# KiCad board Kimiro.kicad_pcb (continued)
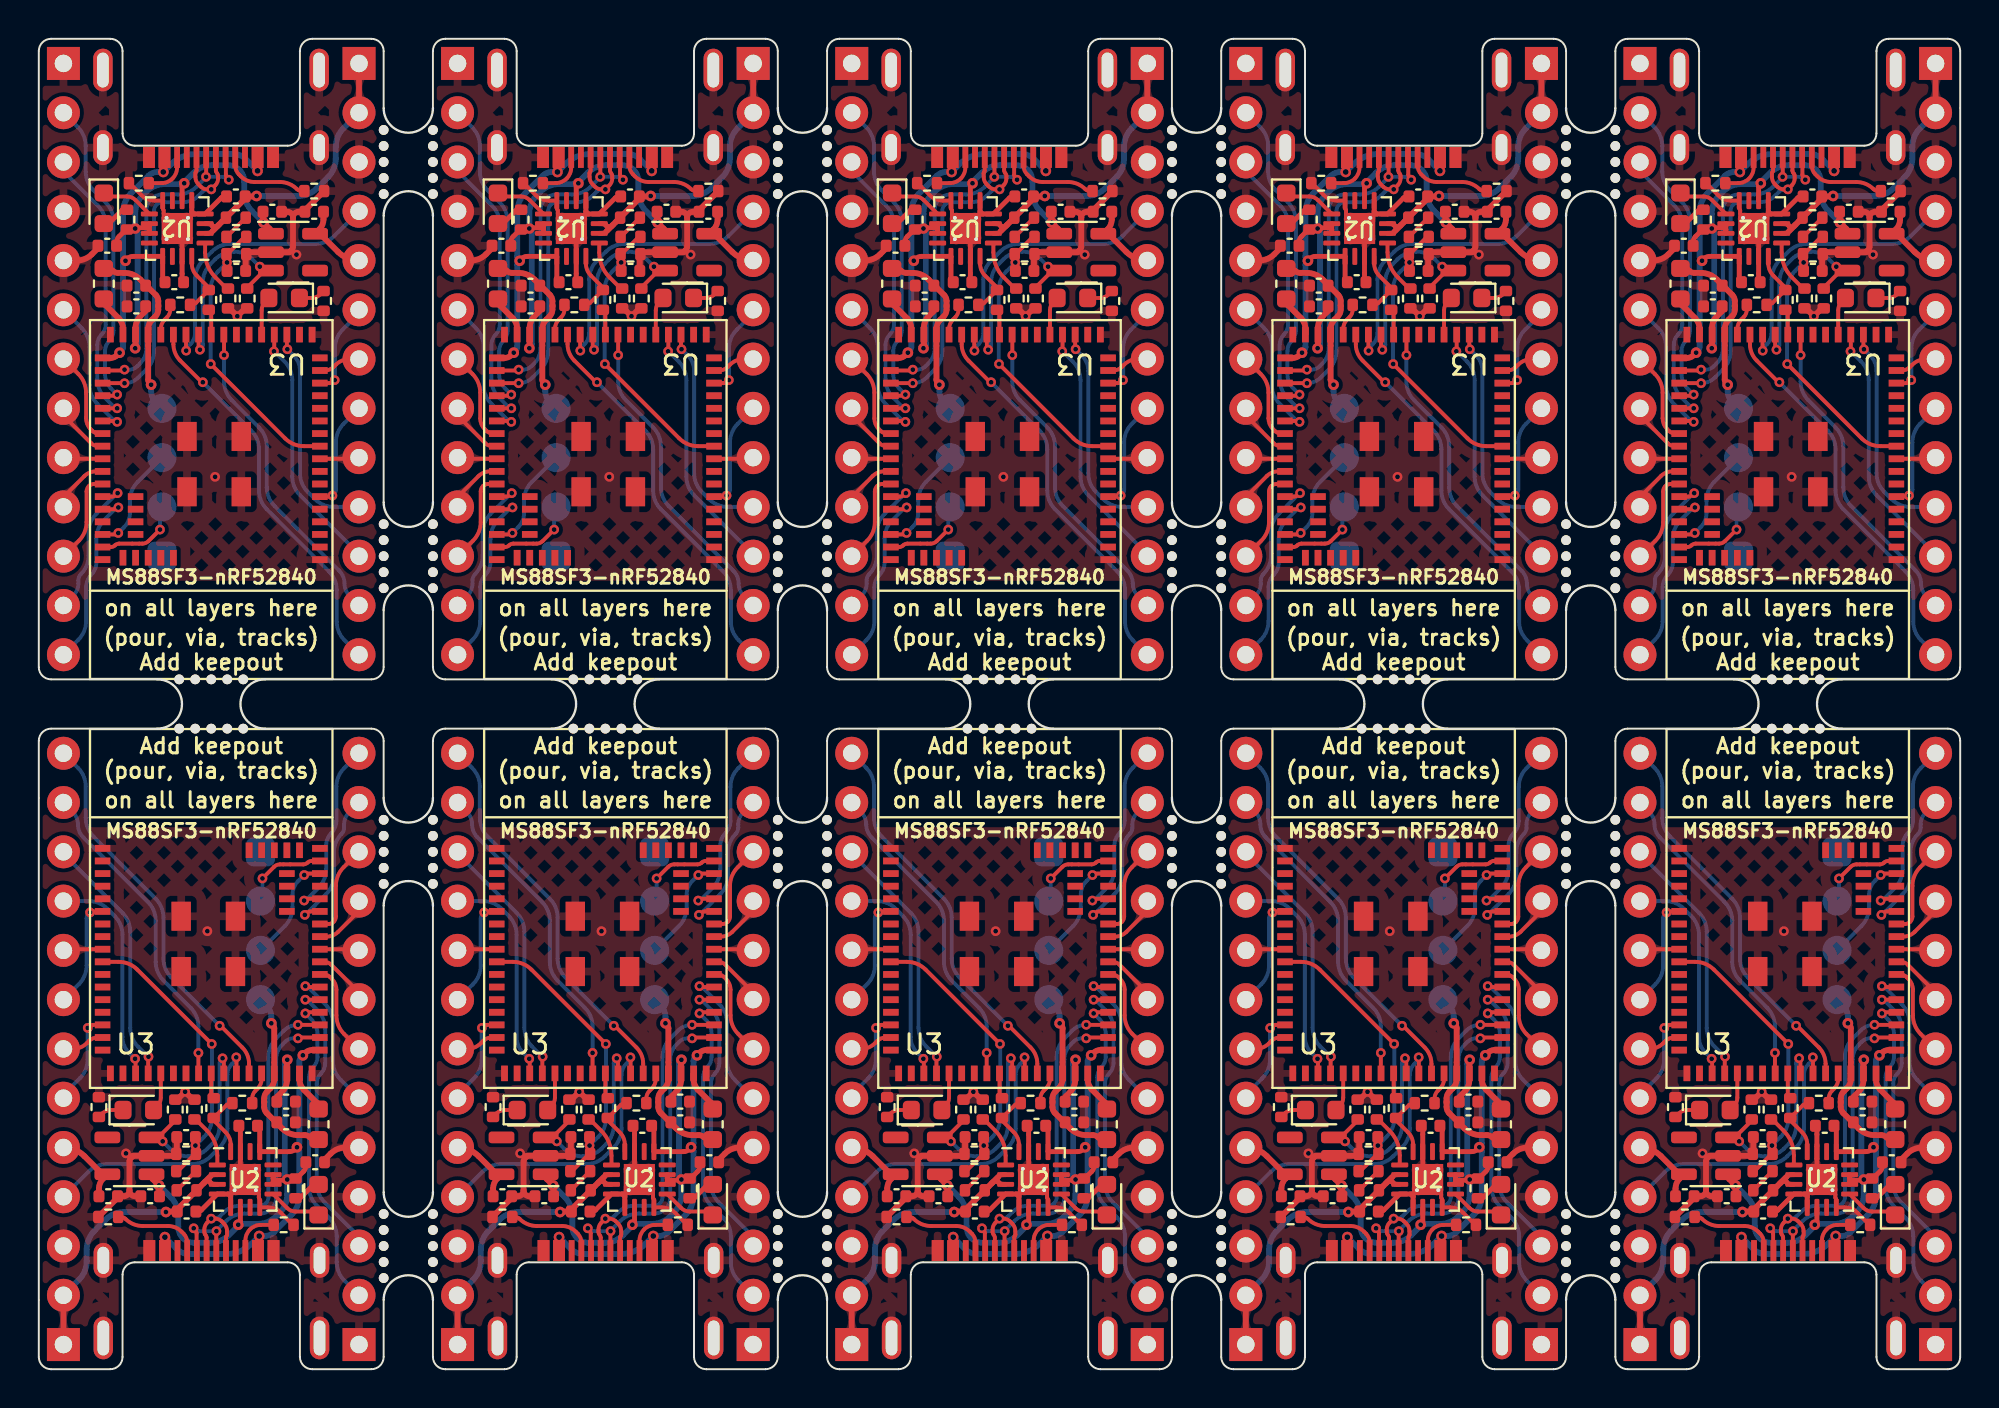
[diagram p0: board, top side]
## Copper pours and planes (outline as drawn; the poured copper is in the pictures) (continued)
016 on Bottom: 83.36,31.08 83.34,31.1 83.26,31.29 82.25,32.05 83.01,31.04 83.2,30.96 83.22,30.94
016 on Bottom: 96.98,37.5 97,37.48 97.08,37.29 98.09,36.53 97.33,37.54 97.14,37.62 97.12,37.64
016 on Bottom: 76.66,37.5 76.68,37.48 76.76,37.29 77.77,36.53 77.01,37.54 76.82,37.62 76.8,37.64
016 on Bottom: 56.34,37.5 56.36,37.48 56.44,37.29 57.45,36.53 56.69,37.54 56.5,37.62 56.48,37.64
016 on Bottom: 36.02,37.5 36.04,37.48 36.12,37.29 37.13,36.53 36.37,37.54 36.18,37.62 36.16,37.64
016 on Bottom: 22.4,31.08 22.38,31.1 22.3,31.29 21.29,32.05 22.05,31.04 22.24,30.96 22.26,30.94
016 on Bottom: 2.08,31.08 2.06,31.1 1.98,31.29 0.97,32.05 1.73,31.04 1.92,30.96 1.94,30.94
016 on Bottom: 42.72,31.08 42.7,31.1 42.62,31.29 41.61,32.05 42.37,31.04 42.56,30.96 42.58,30.94
016 on Bottom: 63.04,31.08 63.02,31.1 62.94,31.29 61.93,32.05 62.69,31.04 62.88,30.96 62.9,30.94
016 on Bottom: 15.7,37.5 15.72,37.48 15.8,37.29 16.81,36.53 16.05,37.54 15.86,37.62 15.84,37.64
017 on Top: 36,17.2 36.02,17.17 36.04,17.14 36.11,16.97 37.13,16.21 36.37,17.23 36.2,17.3 36.17,17.32 36.14,17.34
017 on Top: 15.68,17.2 15.7,17.17 15.72,17.14 15.79,16.97 16.81,16.21 16.05,17.23 15.88,17.3 15.85,17.32 15.82,17.34
017 on Top: 56.32,17.2 56.34,17.17 56.36,17.14 56.43,16.97 57.45,16.21 56.69,17.23 56.52,17.3 56.49,17.32 56.46,17.34
017 on Top: 42.74,51.38 42.72,51.41 42.7,51.44 42.63,51.61 41.61,52.37 42.37,51.35 42.54,51.28 42.57,51.26 42.6,51.24
017 on Top: 22.42,51.38 22.4,51.41 22.38,51.44 22.31,51.61 21.29,52.37 22.05,51.35 22.22,51.28 22.25,51.26 22.28,51.24
017 on Top: 83.38,51.38 83.36,51.41 83.34,51.44 83.27,51.61 82.25,52.37 83.01,51.35 83.18,51.28 83.21,51.26 83.24,51.24
017 on Top: 96.96,17.2 96.98,17.17 97,17.14 97.07,16.97 98.09,16.21 97.33,17.23 97.16,17.3 97.13,17.32 97.1,17.34
017 on Top: 76.64,17.2 76.66,17.17 76.68,17.14 76.75,16.97 77.77,16.21 77.01,17.23 76.84,17.3 76.81,17.32 76.78,17.34
017 on Top: 63.06,51.38 63.04,51.41 63.02,51.44 62.95,51.61 61.93,52.37 62.69,51.35 62.86,51.28 62.89,51.26 62.92,51.24
017 on Top: 2.1,51.38 2.08,51.41 2.06,51.44 1.99,51.61 0.97,52.37 1.73,51.35 1.9,51.28 1.93,51.26 1.96,51.24
019 on Bottom: 96.98,4.48 97,4.46 97.08,4.27 98.09,3.51 97.33,4.52 97.14,4.6 97.12,4.62
019 on Bottom: 42.72,64.1 42.7,64.12 42.62,64.31 41.61,65.07 42.37,64.06 42.56,63.98 42.58,63.96
019 on Bottom: 83.36,64.1 83.34,64.12 83.26,64.31 82.25,65.07 83.01,64.06 83.2,63.98 83.22,63.96
019 on Bottom: 63.04,64.1 63.02,64.12 62.94,64.31 61.93,65.07 62.69,64.06 62.88,63.98 62.9,63.96
019 on Bottom: 76.66,4.48 76.68,4.46 76.76,4.27 77.77,3.51 77.01,4.52 76.82,4.6 76.8,4.62
019 on Bottom: 2.08,64.1 2.06,64.12 1.98,64.31 0.97,65.07 1.73,64.06 1.92,63.98 1.94,63.96
019 on Bottom: 56.34,4.48 56.36,4.46 56.44,4.27 57.45,3.51 56.69,4.52 56.5,4.6 56.48,4.62
019 on Bottom: 15.7,4.48 15.72,4.46 15.8,4.27 16.81,3.51 16.05,4.52 15.86,4.6 15.84,4.62
019 on Bottom: 36.02,4.48 36.04,4.46 36.12,4.27 37.13,3.51 36.37,4.52 36.18,4.6 36.16,4.62
019 on Bottom: 22.4,64.1 22.38,64.12 22.3,64.31 21.29,65.07 22.05,64.06 22.24,63.98 22.26,63.96
020 on Top: 76.77,22.78 76.86,22.87 76.95,22.95 77.04,23.03 77.13,23.09 77.21,23.15 77.29,23.19 77.36,23.23 77.42,23.26 77.47,23.27 77.52,23.28 77.62,24.53 76.88,23.52 76.9,23.49 76.91,23.45 76.9,23.4 76.89,23.34 76.87,23.28 76.84,23.21 76.8,23.14 76.75,23.06 76.69,22.99 76.63,22.92
020 on Top: 62.93,45.8 62.84,45.71 62.75,45.63 62.66,45.55 62.57,45.49 62.49,45.43 62.41,45.39 62.34,45.35 62.28,45.32 62.23,45.31 62.18,45.3 62.08,44.05 62.82,45.06 62.8,45.09 62.79,45.13 62.8,45.18 62.81,45.24 62.83,45.3 62.86,45.37 62.9,45.44 62.95,45.52 63.01,45.59 63.07,45.66
020 on Top: 36.13,22.78 36.22,22.87 36.31,22.95 36.4,23.03 36.49,23.09 36.57,23.15 36.65,23.19 36.72,23.23 36.78,23.26 36.83,23.27 36.88,23.28 36.98,24.53 36.24,23.52 36.26,23.49 36.27,23.45 36.26,23.4 36.25,23.34 36.23,23.28 36.2,23.21 36.16,23.14 36.11,23.06 36.05,22.99 35.99,22.92
020 on Top: 83.25,45.8 83.16,45.71 83.07,45.63 82.98,45.55 82.89,45.49 82.81,45.43 82.73,45.39 82.66,45.35 82.6,45.32 82.55,45.31 82.5,45.3 82.4,44.05 83.14,45.06 83.12,45.09 83.11,45.13 83.12,45.18 83.13,45.24 83.15,45.3 83.18,45.37 83.22,45.44 83.27,45.52 83.33,45.59 83.39,45.66
020 on Top: 56.45,22.78 56.54,22.87 56.63,22.95 56.72,23.03 56.81,23.09 56.89,23.15 56.97,23.19 57.04,23.23 57.1,23.26 57.15,23.27 57.2,23.28 57.3,24.53 56.56,23.52 56.58,23.49 56.59,23.45 56.58,23.4 56.57,23.34 56.55,23.28 56.52,23.21 56.48,23.14 56.43,23.06 56.37,22.99 56.31,22.92
020 on Top: 42.61,45.8 42.52,45.71 42.43,45.63 42.34,45.55 42.25,45.49 42.17,45.43 42.09,45.39 42.02,45.35 41.96,45.32 41.91,45.31 41.86,45.3 41.76,44.05 42.5,45.06 42.48,45.09 42.47,45.13 42.48,45.18 42.49,45.24 42.51,45.3 42.54,45.37 42.58,45.44 42.63,45.52 42.69,45.59 42.75,45.66
020 on Top: 15.81,22.78 15.9,22.87 15.99,22.95 16.08,23.03 16.17,23.09 16.25,23.15 16.33,23.19 16.4,23.23 16.46,23.26 16.51,23.27 16.56,23.28 16.66,24.53 15.92,23.52 15.94,23.49 15.95,23.45 15.94,23.4 15.93,23.34 15.91,23.28 15.88,23.21 15.84,23.14 15.79,23.06 15.73,22.99 15.67,22.92
020 on Top: 97.09,22.78 97.18,22.87 97.27,22.95 97.36,23.03 97.45,23.09 97.53,23.15 97.61,23.19 97.68,23.23 97.74,23.26 97.79,23.27 97.84,23.28 97.94,24.53 97.2,23.52 97.22,23.49 97.23,23.45 97.22,23.4 97.21,23.34 97.19,23.28 97.16,23.21 97.12,23.14 97.07,23.06 97.01,22.99 96.95,22.92
020 on Top: 1.97,45.8 1.88,45.71 1.79,45.63 1.7,45.55 1.61,45.49 1.53,45.43 1.45,45.39 1.38,45.35 1.32,45.32 1.27,45.31 1.22,45.3 1.12,44.05 1.86,45.06 1.84,45.09 1.83,45.13 1.84,45.18 1.85,45.24 1.87,45.3 1.9,45.37 1.94,45.44 1.99,45.52 2.05,45.59 2.11,45.66
020 on Top: 22.29,45.8 22.2,45.71 22.11,45.63 22.02,45.55 21.93,45.49 21.85,45.43 21.77,45.39 21.7,45.35 21.64,45.32 21.59,45.31 21.54,45.3 21.44,44.05 22.18,45.06 22.16,45.09 22.15,45.13 22.16,45.18 22.17,45.24 22.19,45.3 22.22,45.37 22.26,45.44 22.31,45.52 22.37,45.59 22.43,45.66
021 on Top: 35.89,20.22 35.96,20.14 36.02,20.07 36.07,19.99 36.11,19.92 36.15,19.84 36.17,19.78 36.19,19.71 36.19,19.66 36.19,19.62 36.17,19.59 37.02,18.67 36.78,19.9 36.73,19.9 36.67,19.91 36.61,19.94 36.54,19.97 36.47,20.01 36.38,20.06 36.3,20.12 36.21,20.19 36.12,20.27 36.03,20.36
021 on Top: 2.21,48.36 2.14,48.44 2.08,48.51 2.03,48.59 1.99,48.66 1.95,48.74 1.93,48.8 1.91,48.87 1.91,48.92 1.91,48.96 1.93,48.99 1.08,49.91 1.32,48.68 1.37,48.68 1.43,48.67 1.49,48.64 1.56,48.61 1.63,48.57 1.72,48.52 1.8,48.46 1.89,48.39 1.98,48.31 2.07,48.22
021 on Top: 96.85,20.22 96.92,20.14 96.98,20.07 97.03,19.99 97.07,19.92 97.11,19.84 97.13,19.78 97.15,19.71 97.15,19.66 97.15,19.62 97.13,19.59 97.98,18.67 97.74,19.9 97.69,19.9 97.63,19.91 97.57,19.94 97.5,19.97 97.43,20.01 97.34,20.06 97.26,20.12 97.17,20.19 97.08,20.27 96.99,20.36
021 on Top: 83.49,48.36 83.42,48.44 83.36,48.51 83.31,48.59 83.27,48.66 83.23,48.74 83.21,48.8 83.19,48.87 83.19,48.92 83.19,48.96 83.21,48.99 82.36,49.91 82.6,48.68 82.65,48.68 82.71,48.67 82.77,48.64 82.84,48.61 82.91,48.57 83,48.52 83.08,48.46 83.17,48.39 83.26,48.31 83.35,48.22
021 on Top: 22.53,48.36 22.46,48.44 22.4,48.51 22.35,48.59 22.31,48.66 22.27,48.74 22.25,48.8 22.23,48.87 22.23,48.92 22.23,48.96 22.25,48.99 21.4,49.91 21.64,48.68 21.69,48.68 21.75,48.67 21.81,48.64 21.88,48.61 21.95,48.57 22.04,48.52 22.12,48.46 22.21,48.39 22.3,48.31 22.39,48.22
021 on Top: 56.21,20.22 56.28,20.14 56.34,20.07 56.39,19.99 56.43,19.92 56.47,19.84 56.49,19.78 56.51,19.71 56.51,19.66 56.51,19.62 56.49,19.59 57.34,18.67 57.1,19.9 57.05,19.9 56.99,19.91 56.93,19.94 56.86,19.97 56.79,20.01 56.7,20.06 56.62,20.12 56.53,20.19 56.44,20.27 56.35,20.36
021 on Top: 42.85,48.36 42.78,48.44 42.72,48.51 42.67,48.59 42.63,48.66 42.59,48.74 42.57,48.8 42.55,48.87 42.55,48.92 42.55,48.96 42.57,48.99 41.72,49.91 41.96,48.68 42.01,48.68 42.07,48.67 42.13,48.64 42.2,48.61 42.27,48.57 42.36,48.52 42.44,48.46 42.53,48.39 42.62,48.31 42.71,48.22
021 on Top: 63.17,48.36 63.1,48.44 63.04,48.51 62.99,48.59 62.95,48.66 62.91,48.74 62.89,48.8 62.87,48.87 62.87,48.92 62.87,48.96 62.89,48.99 62.04,49.91 62.28,48.68 62.33,48.68 62.39,48.67 62.45,48.64 62.52,48.61 62.59,48.57 62.68,48.52 62.76,48.46 62.85,48.39 62.94,48.31 63.03,48.22
021 on Top: 15.57,20.22 15.64,20.14 15.7,20.07 15.75,19.99 15.79,19.92 15.83,19.84 15.85,19.78 15.87,19.71 15.87,19.66 15.87,19.62 15.85,19.59 16.7,18.67 16.46,19.9 16.41,19.9 16.35,19.91 16.29,19.94 16.22,19.97 16.15,20.01 16.06,20.06 15.98,20.12 15.89,20.19 15.8,20.27 15.71,20.36
021 on Top: 76.53,20.22 76.6,20.14 76.66,20.07 76.71,19.99 76.75,19.92 76.79,19.84 76.81,19.78 76.83,19.71 76.83,19.66 76.83,19.62 76.81,19.59 77.66,18.67 77.42,19.9 77.37,19.9 77.31,19.91 77.25,19.94 77.18,19.97 77.11,20.01 77.02,20.06 76.94,20.12 76.85,20.19 76.76,20.27 76.67,20.36
022 on Top: 97.07,25.81 97.11,25.84 97.14,25.87 97.18,25.89 97.34,25.95 98.09,26.97 97.07,26.22 97.01,26.06 96.99,26.02 96.96,25.99 96.93,25.95
022 on Top: 42.63,42.77 42.59,42.74 42.56,42.71 42.52,42.69 42.36,42.63 41.61,41.61 42.63,42.36 42.69,42.52 42.71,42.56 42.74,42.59 42.77,42.63
022 on Top: 36.11,25.81 36.15,25.84 36.18,25.87 36.22,25.89 36.38,25.95 37.13,26.97 36.11,26.22 36.05,26.06 36.03,26.02 36,25.99 35.97,25.95
022 on Top: 56.43,25.81 56.47,25.84 56.5,25.87 56.54,25.89 56.7,25.95 57.45,26.97 56.43,26.22 56.37,26.06 56.35,26.02 56.32,25.99 56.29,25.95
022 on Top: 15.79,25.81 15.83,25.84 15.86,25.87 15.9,25.89 16.06,25.95 16.81,26.97 15.79,26.22 15.73,26.06 15.71,26.02 15.68,25.99 15.65,25.95
022 on Top: 83.27,42.77 83.23,42.74 83.2,42.71 83.16,42.69 83,42.63 82.25,41.61 83.27,42.36 83.33,42.52 83.35,42.56 83.38,42.59 83.41,42.63
022 on Top: 62.95,42.77 62.91,42.74 62.88,42.71 62.84,42.69 62.68,42.63 61.93,41.61 62.95,42.36 63.01,42.52 63.03,42.56 63.06,42.59 63.09,42.63
022 on Top: 76.75,25.81 76.79,25.84 76.82,25.87 76.86,25.89 77.02,25.95 77.77,26.97 76.75,26.22 76.69,26.06 76.67,26.02 76.64,25.99 76.61,25.95
022 on Top: 1.99,42.77 1.95,42.74 1.92,42.71 1.88,42.69 1.72,42.63 0.97,41.61 1.99,42.36 2.05,42.52 2.07,42.56 2.1,42.59 2.13,42.63
022 on Top: 22.31,42.77 22.27,42.74 22.24,42.71 22.2,42.69 22.04,42.63 21.29,41.61 22.31,42.36 22.37,42.52 22.39,42.56 22.42,42.59 22.45,42.63
023 on Top: 23.12,47.03 23.01,47.03 22.9,47.05 22.8,47.06 22.71,47.08 22.63,47.11 22.55,47.14 22.49,47.17 22.45,47.21 22.41,47.24 22.39,47.28 21.17,47.02 22.34,46.6 22.37,46.63 22.41,46.67 22.46,46.7 22.53,46.73 22.6,46.76 22.69,46.78 22.79,46.8 22.89,46.82 23,46.83 23.12,46.83
023 on Top: 75.94,21.55 76.05,21.55 76.16,21.53 76.26,21.52 76.35,21.5 76.43,21.47 76.51,21.44 76.57,21.41 76.61,21.37 76.65,21.34 76.67,21.3 77.89,21.56 76.72,21.98 76.69,21.95 76.65,21.91 76.6,21.88 76.53,21.85 76.46,21.82 76.37,21.8 76.27,21.78 76.17,21.76 76.06,21.75 75.94,21.75
023 on Top: 55.62,21.55 55.73,21.55 55.84,21.53 55.94,21.52 56.03,21.5 56.11,21.47 56.19,21.44 56.25,21.41 56.29,21.37 56.33,21.34 56.35,21.3 57.57,21.56 56.4,21.98 56.37,21.95 56.33,21.91 56.28,21.88 56.21,21.85 56.14,21.82 56.05,21.8 55.95,21.78 55.85,21.76 55.74,21.75 55.62,21.75
023 on Top: 43.44,47.03 43.33,47.03 43.22,47.05 43.12,47.06 43.03,47.08 42.95,47.11 42.87,47.14 42.81,47.17 42.77,47.21 42.73,47.24 42.71,47.28 41.49,47.02 42.66,46.6 42.69,46.63 42.73,46.67 42.78,46.7 42.85,46.73 42.92,46.76 43.01,46.78 43.11,46.8 43.21,46.82 43.32,46.83 43.44,46.83
023 on Top: 84.08,47.03 83.97,47.03 83.86,47.05 83.76,47.06 83.67,47.08 83.59,47.11 83.51,47.14 83.45,47.17 83.41,47.21 83.37,47.24 83.35,47.28 82.13,47.02 83.3,46.6 83.33,46.63 83.37,46.67 83.42,46.7 83.49,46.73 83.56,46.76 83.65,46.78 83.75,46.8 83.85,46.82 83.96,46.83 84.08,46.83
023 on Top: 96.26,21.55 96.37,21.55 96.48,21.53 96.58,21.52 96.67,21.5 96.75,21.47 96.83,21.44 96.89,21.41 96.93,21.37 96.97,21.34 96.99,21.3 98.21,21.56 97.04,21.98 97.01,21.95 96.97,21.91 96.92,21.88 96.85,21.85 96.78,21.82 96.69,21.8 96.59,21.78 96.49,21.76 96.38,21.75 96.26,21.75
023 on Top: 35.3,21.55 35.41,21.55 35.52,21.53 35.62,21.52 35.71,21.5 35.79,21.47 35.87,21.44 35.93,21.41 35.97,21.37 36.01,21.34 36.03,21.3 37.25,21.56 36.08,21.98 36.05,21.95 36.01,21.91 35.96,21.88 35.89,21.85 35.82,21.82 35.73,21.8 35.63,21.78 35.53,21.76 35.42,21.75 35.3,21.75
023 on Top: 14.98,21.55 15.09,21.55 15.2,21.53 15.3,21.52 15.39,21.5 15.47,21.47 15.55,21.44 15.61,21.41 15.65,21.37 15.69,21.34 15.71,21.3 16.93,21.56 15.76,21.98 15.73,21.95 15.69,21.91 15.64,21.88 15.57,21.85 15.5,21.82 15.41,21.8 15.31,21.78 15.21,21.76 15.1,21.75 14.98,21.75
023 on Top: 63.76,47.03 63.65,47.03 63.54,47.05 63.44,47.06 63.35,47.08 63.27,47.11 63.19,47.14 63.13,47.17 63.09,47.21 63.05,47.24 63.03,47.28 61.81,47.02 62.98,46.6 63.01,46.63 63.05,46.67 63.1,46.7 63.17,46.73 63.24,46.76 63.33,46.78 63.43,46.8 63.53,46.82 63.64,46.83 63.76,46.83
023 on Top: 2.8,47.03 2.69,47.03 2.58,47.05 2.48,47.06 2.39,47.08 2.31,47.11 2.23,47.14 2.17,47.17 2.13,47.21 2.09,47.24 2.07,47.28 0.85,47.02 2.02,46.6 2.05,46.63 2.09,46.67 2.14,46.7 2.21,46.73 2.28,46.76 2.37,46.78 2.47,46.8 2.57,46.82 2.68,46.83 2.8,46.83
100 on Bottom: 42.6,37.66 42.57,37.64 42.54,37.62 42.37,37.55 41.61,36.53 42.63,37.29 42.7,37.46 42.72,37.49 42.74,37.52
100 on Bottom: 15.82,30.92 15.85,30.94 15.88,30.96 16.05,31.03 16.81,32.05 15.79,31.29 15.72,31.12 15.7,31.09 15.68,31.06
100 on Bottom: 36.14,30.92 36.17,30.94 36.2,30.96 36.37,31.03 37.13,32.05 36.11,31.29 36.04,31.12 36.02,31.09 36,31.06
100 on Bottom: 62.92,37.66 62.89,37.64 62.86,37.62 62.69,37.55 61.93,36.53 62.95,37.29 63.02,37.46 63.04,37.49 63.06,37.52
100 on Bottom: 97.1,30.92 97.13,30.94 97.16,30.96 97.33,31.03 98.09,32.05 97.07,31.29 97,31.12 96.98,31.09 96.96,31.06
100 on Bottom: 22.28,37.66 22.25,37.64 22.22,37.62 22.05,37.55 21.29,36.53 22.31,37.29 22.38,37.46 22.4,37.49 22.42,37.52
100 on Bottom: 83.24,37.66 83.21,37.64 83.18,37.62 83.01,37.55 82.25,36.53 83.27,37.29 83.34,37.46 83.36,37.49 83.38,37.52
100 on Bottom: 76.78,30.92 76.81,30.94 76.84,30.96 77.01,31.03 77.77,32.05 76.75,31.29 76.68,31.12 76.66,31.09 76.64,31.06
100 on Bottom: 56.46,30.92 56.49,30.94 56.52,30.96 56.69,31.03 57.45,32.05 56.43,31.29 56.36,31.12 56.34,31.09 56.32,31.06
100 on Bottom: 1.96,37.66 1.93,37.64 1.9,37.62 1.73,37.55 0.97,36.53 1.99,37.29 2.06,37.46 2.08,37.49 2.1,37.52
108 on Bottom: 15.41,42.97 15.48,42.89 15.55,42.81 15.61,42.73 15.66,42.65 15.7,42.57 15.73,42.5 15.75,42.43 15.76,42.37 15.76,42.32 15.75,42.29 16.78,41.59 16.27,42.72 16.22,42.72 16.17,42.72 16.11,42.74 16.04,42.76 15.97,42.8 15.89,42.84 15.81,42.9 15.72,42.96 15.63,43.03 15.55,43.12
108 on Bottom: 83.65,25.61 83.58,25.69 83.51,25.77 83.45,25.85 83.4,25.93 83.36,26.01 83.33,26.08 83.31,26.15 83.3,26.21 83.3,26.26 83.31,26.29 82.28,26.99 82.79,25.86 82.84,25.86 82.89,25.86 82.95,25.84 83.02,25.82 83.09,25.78 83.17,25.74 83.25,25.68 83.34,25.62 83.43,25.55 83.51,25.46
108 on Bottom: 96.69,42.97 96.76,42.89 96.83,42.81 96.89,42.73 96.94,42.65 96.98,42.57 97.01,42.5 97.03,42.43 97.04,42.37 97.04,42.32 97.03,42.29 98.06,41.59 97.55,42.72 97.5,42.72 97.45,42.72 97.39,42.74 97.32,42.76 97.25,42.8 97.17,42.84 97.09,42.9 97,42.96 96.91,43.03 96.83,43.12
108 on Bottom: 63.33,25.61 63.26,25.69 63.19,25.77 63.13,25.85 63.08,25.93 63.04,26.01 63.01,26.08 62.99,26.15 62.98,26.21 62.98,26.26 62.99,26.29 61.96,26.99 62.47,25.86 62.52,25.86 62.57,25.86 62.63,25.84 62.7,25.82 62.77,25.78 62.85,25.74 62.93,25.68 63.02,25.62 63.11,25.55 63.19,25.46
108 on Bottom: 43.01,25.61 42.94,25.69 42.87,25.77 42.81,25.85 42.76,25.93 42.72,26.01 42.69,26.08 42.67,26.15 42.66,26.21 42.66,26.26 42.67,26.29 41.64,26.99 42.15,25.86 42.2,25.86 42.25,25.86 42.31,25.84 42.38,25.82 42.45,25.78 42.53,25.74 42.61,25.68 42.7,25.62 42.79,25.55 42.87,25.46
108 on Bottom: 76.37,42.97 76.44,42.89 76.51,42.81 76.57,42.73 76.62,42.65 76.66,42.57 76.69,42.5 76.71,42.43 76.72,42.37 76.72,42.32 76.71,42.29 77.74,41.59 77.23,42.72 77.18,42.72 77.13,42.72 77.07,42.74 77,42.76 76.93,42.8 76.85,42.84 76.77,42.9 76.68,42.96 76.59,43.03 76.51,43.12
108 on Bottom: 22.69,25.61 22.62,25.69 22.55,25.77 22.49,25.85 22.44,25.93 22.4,26.01 22.37,26.08 22.35,26.15 22.34,26.21 22.34,26.26 22.35,26.29 21.32,26.99 21.83,25.86 21.88,25.86 21.93,25.86 21.99,25.84 22.06,25.82 22.13,25.78 22.21,25.74 22.29,25.68 22.38,25.62 22.47,25.55 22.55,25.46
108 on Bottom: 2.37,25.61 2.3,25.69 2.23,25.77 2.17,25.85 2.12,25.93 2.08,26.01 2.05,26.08 2.03,26.15 2.02,26.21 2.02,26.26 2.03,26.29 1,26.99 1.51,25.86 1.56,25.86 1.61,25.86 1.67,25.84 1.74,25.82 1.81,25.78 1.89,25.74 1.97,25.68 2.06,25.62 2.15,25.55 2.23,25.46
108 on Bottom: 56.05,42.97 56.12,42.89 56.19,42.81 56.25,42.73 56.3,42.65 56.34,42.57 56.37,42.5 56.39,42.43 56.4,42.37 56.4,42.32 56.39,42.29 57.42,41.59 56.91,42.72 56.86,42.72 56.81,42.72 56.75,42.74 56.68,42.76 56.61,42.8 56.53,42.84 56.45,42.9 56.36,42.96 56.27,43.03 56.19,43.12
108 on Bottom: 35.73,42.97 35.8,42.89 35.87,42.81 35.93,42.73 35.98,42.65 36.02,42.57 36.05,42.5 36.07,42.43 36.08,42.37 36.08,42.32 36.07,42.29 37.1,41.59 36.59,42.72 36.54,42.72 36.49,42.72 36.43,42.74 36.36,42.76 36.29,42.8 36.21,42.84 36.13,42.9 36.04,42.96 35.95,43.03 35.87,43.12
RST on Bottom: 83.55,10.04 83.47,9.96 83.39,9.89 83.3,9.83 83.22,9.78 83.15,9.74 83.08,9.71 83.01,9.69 82.95,9.67 82.9,9.67 82.86,9.68 82.25,8.59 83.34,9.2 83.33,9.24 83.33,9.29 83.35,9.35 83.37,9.42 83.4,9.49 83.44,9.56 83.49,9.64 83.55,9.73 83.62,9.81 83.7,9.89
RST on Bottom: 63.23,10.04 63.15,9.96 63.07,9.89 62.98,9.83 62.9,9.78 62.83,9.74 62.76,9.71 62.69,9.69 62.63,9.67 62.58,9.67 62.54,9.68 61.93,8.59 63.02,9.2 63.01,9.24 63.01,9.29 63.03,9.35 63.05,9.42 63.08,9.49 63.12,9.56 63.17,9.64 63.23,9.73 63.3,9.81 63.38,9.89
RST on Bottom: 96.79,58.54 96.87,58.62 96.95,58.69 97.04,58.75 97.12,58.8 97.19,58.84 97.26,58.87 97.33,58.89 97.39,58.91 97.44,58.91 97.48,58.9 98.09,59.99 97,59.38 97.01,59.34 97.01,59.29 96.99,59.23 96.97,59.16 96.94,59.09 96.9,59.02 96.85,58.94 96.79,58.85 96.72,58.77 96.64,58.69
RST on Bottom: 2.27,10.04 2.19,9.96 2.11,9.89 2.02,9.83 1.94,9.78 1.87,9.74 1.8,9.71 1.73,9.69 1.67,9.67 1.62,9.67 1.58,9.68 0.97,8.59 2.06,9.2 2.05,9.24 2.05,9.29 2.07,9.35 2.09,9.42 2.12,9.49 2.16,9.56 2.21,9.64 2.27,9.73 2.34,9.81 2.42,9.89
RST on Bottom: 22.59,10.04 22.51,9.96 22.43,9.89 22.34,9.83 22.26,9.78 22.19,9.74 22.12,9.71 22.05,9.69 21.99,9.67 21.94,9.67 21.9,9.68 21.29,8.59 22.38,9.2 22.37,9.24 22.37,9.29 22.39,9.35 22.41,9.42 22.44,9.49 22.48,9.56 22.53,9.64 22.59,9.73 22.66,9.81 22.74,9.89
RST on Bottom: 56.15,58.54 56.23,58.62 56.31,58.69 56.4,58.75 56.48,58.8 56.55,58.84 56.62,58.87 56.69,58.89 56.75,58.91 56.8,58.91 56.84,58.9 57.45,59.99 56.36,59.38 56.37,59.34 56.37,59.29 56.35,59.23 56.33,59.16 56.3,59.09 56.26,59.02 56.21,58.94 56.15,58.85 56.08,58.77 56,58.69
RST on Bottom: 42.91,10.04 42.83,9.96 42.75,9.89 42.66,9.83 42.58,9.78 42.51,9.74 42.44,9.71 42.37,9.69 42.31,9.67 42.26,9.67 42.22,9.68 41.61,8.59 42.7,9.2 42.69,9.24 42.69,9.29 42.71,9.35 42.73,9.42 42.76,9.49 42.8,9.56 42.85,9.64 42.91,9.73 42.98,9.81 43.06,9.89
RST on Bottom: 35.83,58.54 35.91,58.62 35.99,58.69 36.08,58.75 36.16,58.8 36.23,58.84 36.3,58.87 36.37,58.89 36.43,58.91 36.48,58.91 36.52,58.9 37.13,59.99 36.04,59.38 36.05,59.34 36.05,59.29 36.03,59.23 36.01,59.16 35.98,59.09 35.94,59.02 35.89,58.94 35.83,58.85 35.76,58.77 35.68,58.69
RST on Bottom: 15.51,58.54 15.59,58.62 15.67,58.69 15.76,58.75 15.84,58.8 15.91,58.84 15.98,58.87 16.05,58.89 16.11,58.91 16.16,58.91 16.2,58.9 16.81,59.99 15.72,59.38 15.73,59.34 15.73,59.29 15.71,59.23 15.69,59.16 15.66,59.09 15.62,59.02 15.57,58.94 15.51,58.85 15.44,58.77 15.36,58.69
RST on Bottom: 76.47,58.54 76.55,58.62 76.63,58.69 76.72,58.75 76.8,58.8 76.87,58.84 76.94,58.87 77.01,58.89 77.07,58.91 77.12,58.91 77.16,58.9 77.77,59.99 76.68,59.38 76.69,59.34 76.69,59.29 76.67,59.23 76.65,59.16 76.62,59.09 76.58,59.02 76.53,58.94 76.47,58.85 76.4,58.77 76.32,58.69

Small or netless copper shapes (teardrops, artwork), in the pictures only: 10 on Bottom

## Text on the board
B.Silkscreen: AIN0 | AIN1 | AIN2 | AIN3 | 019 | 013 | VDD | DIO | CLK | GND | B+ | - | 015 | 017 | 021 | 023 | 020 | 022 | 024 | 100 | 016 | 008 | 108 | 006 | 002 | 003 | 004 | 005 | VCC | RST | {dblquote}*{dblquote} is low frequency I/O | * | v1.0 | KIMIRO
